# Altium PCB W5500-0603.PcbDoc
Units mm, origin at the board's own origin, x right, y up, seen from the top; angles counter-clockwise.
Board outline 28 x 55 mm, 2 copper layers (Top Layer, Bottom Layer); 48 components, 41 nets, 160 pads, 41 vias.
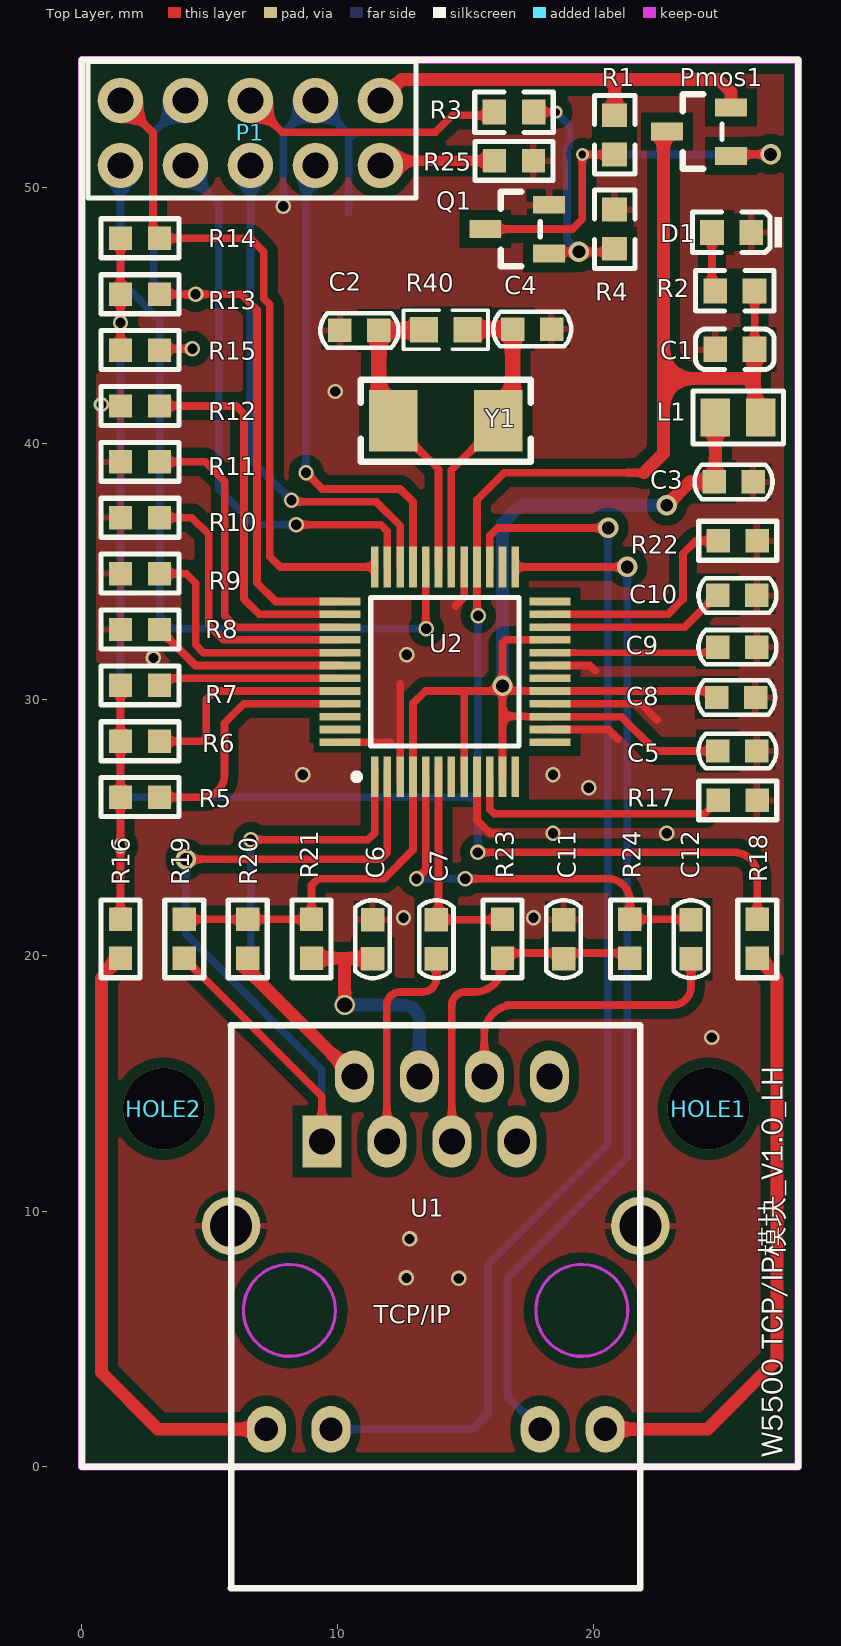
[diagram p0: Top Layer view]
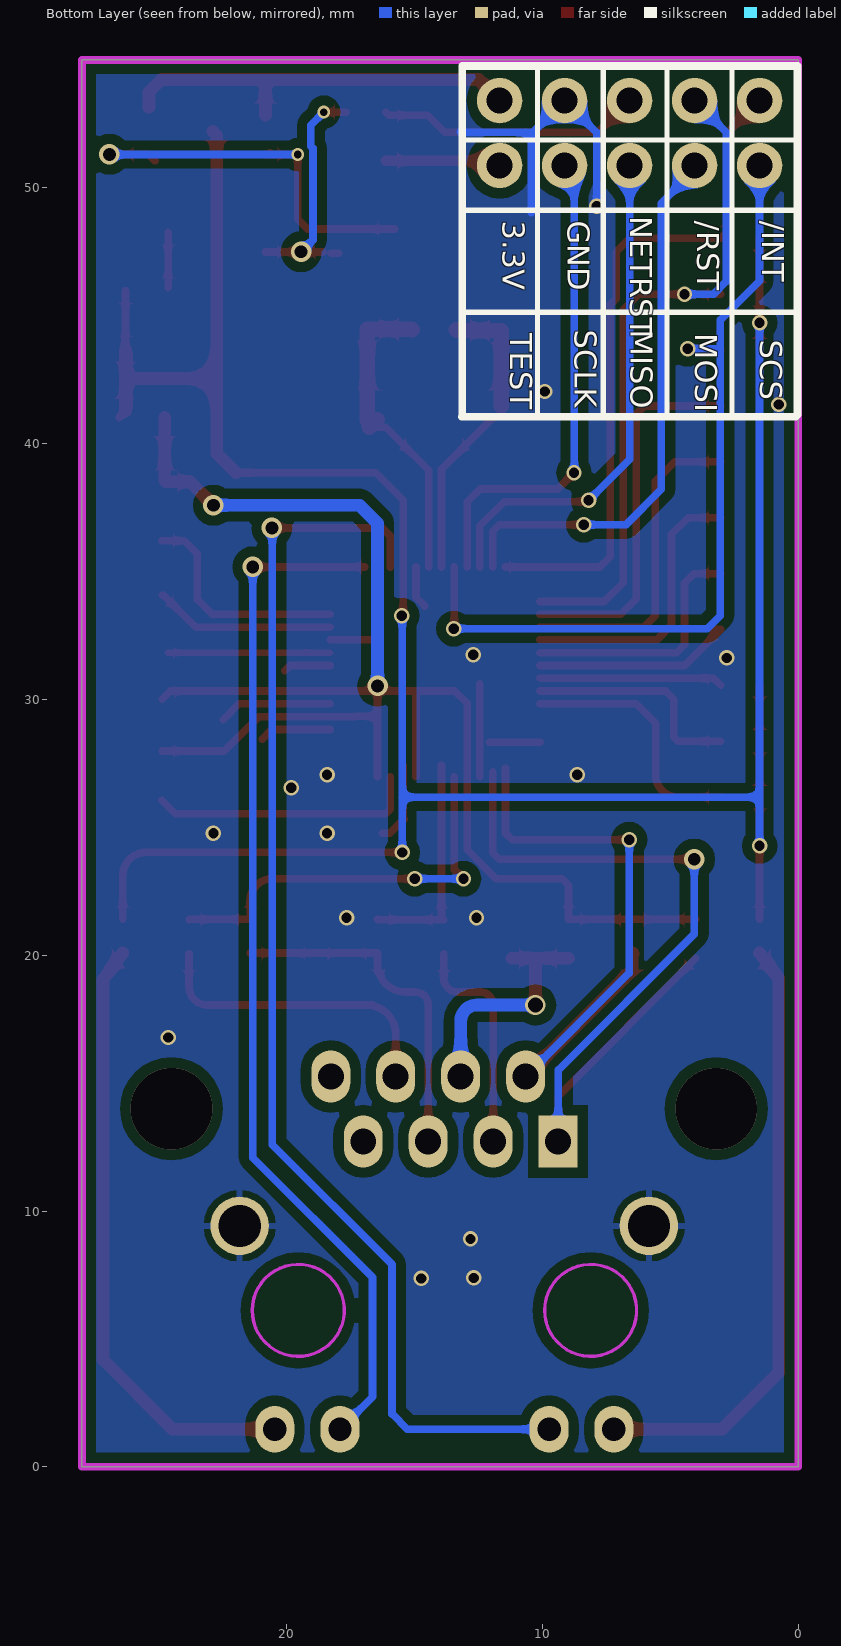
[diagram p1: Bottom Layer view, seen from below]

## Layer stack, top to bottom
Top Solder: solder mask 0.0102, Solder Resist, Dk 3.5
Top Layer: signal copper 0.0356
Dielectric1: dielectric 0.32, FR-4, Dk 4.8
Bottom Layer: signal copper 0.0356
Bottom Solder: solder mask 0.0102, Solder Resist, Dk 3.5

## Board outline
0,0 0,55 28,55 28,0

## Design rules (kind name [scope] priority, off if disabled: settings)
Clearance Clearance-poly [InPolygon] p1: gap=0.4
Clearance Clearance-track [All] p2: gap=0.2
PolygonConnect PolygonConnect_via [IsVia] p1: connectstyle=Direct reliefconductorwidth=0.254 reliefentries=4 polygonreliefangle="90 Angle" airgapwidth=0.254
PolygonConnect PolygonConnect_pad [All] p2: connectstyle=Relief reliefconductorwidth=0.254 reliefentries=4 polygonreliefangle="90 Angle" airgapwidth=0.254
RoutingVias [All] p1: holewidth=0.4 width=0.6 viastyle="Through Hole" minholewidth=0.3 minwidth=0.6 maxholewidth=1 maxwidth=2
SilkToSolderMaskClearance [IsPad] p1: minsilkscreentomaskgap=0 clearancetoexposedcopper=TRUE
SolderMaskExpansion [All] p1: expansion=0.102
Width [All] p1: maxlimit=2 minlimit=0.254 preferedwidth=0.4
29 further rules are at their usual default settings.

## Components (designator, comment, footprint, x,y, rotation, side; value= is the part's Value field where it differs from the comment)
C1 "104" LC-0603_C 25.527,43.688 r0 top
C2 "18pF" C0603 10.287,44.45 r0 top
C3 "104" C0603 26.035,38.481 r180 top
C4 "18pF" C0603 18.161,44.45 r180 top
C5 "104" C0603 26.184,27.957 r180 top
C6 "0.22uF" C0603 11.339,20.068 r90 top
C7 "6.8nF" C0603 13.878,21.186 r270 top
C8 "104" C0603 25.019,30.099 r0 top
C9 "4.7uF" C0603 25.066,32.066 r0 top
C10 "103" C0603 25.066,34.095 r0 top
C11 "103" C0603 18.856,21.186 r270 top
C12 "6.8nF" C0603 23.835,21.186 r270 top
D1 "白灯 0603" LC-0603_LED_S1 25.4,48.26 r180 top
HOLE1 "HOLE" H-3.2-3.2mm 24.5,14 r90 top
HOLE2 "HOLE" H-3.2-3.2mm 3.2,14 r90 top
L1 "1uH" LC-0805_L 25.654,41.021 r180 top
P1 "Header 5X2" F2.54-2*5 1.508,50.873 r0 top
Pmos1 "SI2301" LC-SOT-23(SOT-23-3) 24.13,52.197 r0 top
Q1 "S8050" LC-SOT-23(SOT-23-3) 17.018,48.387 r0 top
R1 "10K" LC-0603_R 20.828,52.07 r90 top
R2 "1K" LC-0603_R 25.527,45.974 r0 top
R3 "2K" LC-0603_R 16.891,52.959 r180 top
R4 "10K" LC-0603_R 20.828,48.387 r270 top
R5 "10K" R0603 1.508,26.181 r0 top
R6 "10K" R0603 1.508,28.365 r0 top
R7 "10K" R0603 1.508,30.55 r0 top
R8 "10K" R0603 1.508,32.734 r0 top
R9 "10K" R0603 1.508,34.919 r0 top
R10 "10K" R0603 1.508,37.103 r0 top
R11 "10K" R0603 1.508,39.287 r0 top
R12 "10K" R0603 1.508,41.472 r0 top
R13 "10K" R0603 1.508,45.841 r0 top
R14 "10K" R0603 1.508,48.025 r0 top
R15 "10K" R0603 1.508,43.656 r0 top
R16 "1K" R0603 1.508,19.877 r90 top
R17 "12.4K" R0603 24.876,26.054 r0 top
R18 "1K" R0603 26.4,19.877 r90 top
R19 "49R9" R0603 3.997,21.401 r270 top
R20 "49R9" R0603 6.486,21.401 r270 top
R21 "10R" R0603 8.975,21.401 r270 top
R22 "10K" R0603 24.876,36.2 r0 top
R23 "82R" R0603 16.443,21.401 r270 top
R24 "82R" R0603 21.421,21.401 r270 top
R25 "0R" R0603 17.653,51.054 r180 top
R40 "1M" 0603-1 14.224,44.45 r180 top
U1 "HR911105A" HR911105A 21.828,9.417 r270 top locked
U2 "W5500" LQFP48 14.192,31.077 r180 top locked
Y1 "25MHz" LC-SMD-5032_2P 14.224,40.894 r0 top

## Footprints (in the part's own frame and the unit in brackets; to place one, negate y for a bottom-side part, rotate by r counter-clockwise, add the part's x,y. Pads: shape width x height; smd on the part's side, far side on the other; paste and mask are expansions set on the pad)
0603-1 [mm] "0603带丝印"
  rect 1.1x1 smd: 1(-0.85,0) 2(0.85,0)
  silkscreen extent -1.65,-0.76 1.65,0.76, body extent -0.8,-0.4 0.8,0.4, height 0.3
C0603 [mil]
  rect 36x36 smd: 1(-8,-1) 2(52,-1)
  silkscreen extent -38,-28 82,26
F2.54-2*5 [mil]
  round 70 hole 40: 1(0,0) 2(0,100) 3(100,0) 4(100,100) 5(200,0) 6(200,100) 7(300,0) 8(300,100) 9(400,0) 10(400,100)
  silkscreen extent -50,-50 455,160
H-3.2-3.2mm [mm]
HR911105A [mil]
  rect 80x60 hole 40: 1(-130,-490)
  oval 80x60 hole 40: 2(-230,-440) 3(-130,-390) 4(-230,-340) 5(-130,-290) 6(-230,-240) 7(-130,-190) 8(-230,-140)
  oval 72x60 hole 36: 9(312.91,-575.63) 10(312.91,-476) 11(312.91,-154.13) 12(312.91,-54)
  round 90 hole 65: 13(-0.08,0.16) 14(-0.08,-629.76)
  Keep-Out Layer circle w5: c130,-540 r70.8
  Keep-Out Layer circle w5: c130,-90 r70.8
  silkscreen extent -309,-630 557,0
LC-0603_C [mm]
  rect 0.93x0.98 smd: 1(-0.77,0) 2(0.77,0)
  silkscreen extent -1.53,-0.79 1.54,0.79, body extent -0.8,-0.4 0.8,0.4, height 0.3
LC-0603_LED_S1 [mm]
  rect 0.93x0.98 smd: A(0.77,0) K(-0.77,0)
  silkscreen extent -1.98,-0.79 1.54,0.79, body extent -0.8,-0.4 0.8,0.4, height 0.6
LC-0603_R [mm]
  rect 0.93x0.98 smd: 1(-0.77,0) 2(0.77,0)
  silkscreen extent -1.53,-0.79 1.54,0.79, body extent -0.85,-0.4 0.85,0.4, height 0.56
LC-0805_L [mm]
  rect 1.16x1.47 smd: 1(-0.89,0) 2(0.89,0)
  silkscreen extent -1.77,-1.04 1.77,1.03, body extent -1.02,-0.64 1.03,0.64, height 0.6
LC-SMD-5032_2P [mm]
  rect 1.9x2.4 smd: 1(-2.05,0) 2(2.05,0)
  silkscreen extent -3.32,-1.6 3.32,1.6
LC-SOT-23(SOT-23-3) [mm]
  rect 1.25x0.7 smd: 1(1.25,-0.95) 2(1.25,0.95) 3(-1.25,0)
  silkscreen extent -0.65,-1.46 0.9,1.46, body extent -1.5,-1.5 1.5,1.5, height 1.3
LQFP48 [mm]
  rect 0.3x1.6 smd: 1(2.75,4.1) 2(2.25,4.1) 3(1.75,4.1) 4(1.25,4.1) 5(0.75,4.1) 6(0.25,4.1) 7(-0.25,4.1) 8(-0.75,4.1) 9(-1.25,4.1) 10(-1.75,4.1) 11(-2.25,4.1) 12(-2.75,4.1) 25(-2.75,-4.1) 26(-2.25,-4.1) 27(-1.75,-4.1) 28(-1.25,-4.1) 29(-0.75,-4.1) 30(-0.25,-4.1) 31(0.25,-4.1) 32(0.75,-4.1) 33(1.25,-4.1) 34(1.75,-4.1) 35(2.25,-4.1) 36(2.75,-4.1)
  rect 1.6x0.3 smd: 13(-4.1,2.75) 14(-4.1,2.25) 15(-4.1,1.75) 16(-4.1,1.25) 17(-4.1,0.75) 18(-4.1,0.25) 19(-4.1,-0.25) 20(-4.1,-0.75) 21(-4.1,-1.25) 22(-4.1,-1.75) 23(-4.1,-2.25) 24(-4.1,-2.75) 37(4.1,-2.75) 38(4.1,-2.25) 39(4.1,-1.75) 40(4.1,-1.25) 41(4.1,-0.75) 42(4.1,-0.25) 43(4.1,0.25) 44(4.1,0.75) 45(4.1,1.25) 46(4.1,1.75) 47(4.1,2.25) 48(4.1,2.75)
  silkscreen extent -2.9,-2.9 3.57,4.22
R0603 [mil]
  rect 36x36 smd: 1(0,0) 2(60,0)
  silkscreen extent -30,-30 90,30

## Part data
C1 C2 C4: library part Cap, "Capacitor"
C3 C5 C6 C7 C8 C10 C11 C12: library part CAP, "Capacitor"
C9: library part "Cap Pol3", "Polarized Capacitor (Surface Mount)"
D1: library part "0603 白灯", "发光二极管"
L1: library part Inductor, "Inductor"
P1: "Header, 5-Pin, Dual row"
Pmos1: library part N-MO
Q1: library part NPN
R1 R2 R5 R6 R7 R8 R9 R10 R11 R12 R13 R14 R15 R16 R17 R18 R19 R20 R21 R22 R23 R24 R25 R40: library part Res2, "Resistor"
R3 R4: library part RES
U2: "W5500以太网芯片"
Y1: library part XTAL, "Crystal Oscillator"

## Via types
v1: diameter 0.6, hole 0.4, Top Layer to Bottom Layer, 29 vias
v2: diameter 0.8, hole 0.5, Top Layer to Bottom Layer, 7 vias
v3: diameter 0.5, hole 0.3, Top Layer to Bottom Layer, 2 vias
v4: diameter 3.2, hole 3.2, Top Layer to Bottom Layer, 2 vias
v5: diameter 0.8, hole 0.6, Top Layer to Bottom Layer, 1 vias

## Nets (pads, with @x,y where several pads share a name; then routed paths per layer and width w, separated by ;. In a path a pad name is that pad's centre, name@x,y a point inside that pad or via, vN(x,y) a via of type N, cw(c..) or ccw(c..) an arc to the next point about the centre after c; other vN are vias at no path point)
3V3: C1.2 L1.1 Pmos1.3 R2.2 R5.1 R6.1 R7.1 R13.1 R14.1 R15.1 R16.2 R18.2 U2.28 | length 110.2
  Top Layer w0.3: R16.2 v1(1.508,24.276) R5.1 R6.1 R7.1 ; R15.1 v1(1.508,44.723) R13.1 R14.1 ; 15.442,33.964 U2.28 ; v1(15.478,24.019) 25.495,24.019 cw(c25.495,23.114) 25.829,23.955 cw(c25.495,23.114) 26.336,23.448 cw(c25.495,23.114) 26.4,23.114 R18.2 ; v1(15.494,33.274) 15.442,33.326 U2.28 ; 21.971,38.862 16.51,38.862 15.442,37.794 15.442,36.377 U2.28 ; 26.297,42.291 26.162,42.291 ; R2.2 C1.2 26.162,43.553 26.162,42.799 ; L1.1 26.297,41.268 26.162,41.403 26.162,42.291 ; 25.908,42.545 26.162,42.291 ; 25.908,42.545 26.162,42.545 ; 25.908,42.545 26.162,42.799 ; 26.162,42.291 26.162,42.545 ; 26.162,42.545 26.162,42.799
  Top Layer w0.5: 21.971,38.862 22.733,39.624 22.733,41.91 ; Pmos1.3 22.733,52.05 22.733,43.18 ; 23.114,42.545 22.733,42.545 ; 25.908,42.545 23.368,42.545 ; L1.1@26.297,41.268 26.297,42.291 C1.2 ; 22.733,41.91 22.733,42.545 ; 22.733,41.91 23.368,42.545 ; 22.733,42.545 22.733,43.18 ; 22.733,43.18 23.368,42.545
  Bottom Layer w0.3: v1(1.508,24.276) 1.508,26.181 ; v1(1.508,44.723) 1.508,26.181 ; v1(15.478,24.019) 15.478,26.181 ; v1@15.478,33.264 15.478,26.181 ; 1.508,26.181 15.478,26.181
/INT: P1.2 R14.2 U2.36 | length 26.6
  Top Layer w0.3: P1.2 2.778,52.143 2.778,48.279 R14.2 6.588,48.025 7.112,47.501 7.112,45.668 7.342,45.438 7.342,35.584 7.749,35.177 U2.36
/RESET: P1.4 R13.2 U2.37 | length 29.4
  Top Layer w0.3: R13.2 v1@4.572,45.841 ; 3.794,45.841 v1@4.572,45.841 ; U2.37 7.575,33.827 6.842,34.56 6.842,45.231 6.232,45.841 5.064,45.841 v1@4.572,45.841
  Bottom Layer w0.3: 2.809,51.94 2.809,51.073 ; P1.4 2.809,52.174 2.809,51.073 ; v1(4.445,45.841) 3.308,45.841 2.809,46.34 2.809,51.073
/SPI_SCS: P1.1 R15.2 U2.32 | length 35.4
  Top Layer w0.3: P1.1 P1.1@2.216,50.873 ; R15.2 3.083,43.707 v1(4.318,43.707) ; v1@13.442,32.786 U2.32 13.442,34.313
  Bottom Layer w0.3: P1.1 1.508,46.371 3.048,44.831 3.048,43.688 ; v1(4.318,43.707) 3.067,43.707 3.048,43.688 ; v1(13.462,32.766) 3.556,32.766 3.048,33.274 3.048,43.688
A3.3V: C3.2 C5.2 C8.1 L1.2 R19.1 R20.1 R21.1 U2.4 U2.8 U2.11 U2.15 U2.17 U2.21 | length 66.1
  Top Layer w0.3: R19.1 R20.1 R21.1 8.975,22.733 9.229,22.987 11.811,22.987 12.942,24.118 U2.4 12.942,29.845 13.424,30.327 15.025,30.327 ; U2.8 14.942,30.244 15.025,30.327 ; U2.11 16.442,29.337 ; U2.21 16.579,32.327 16.442,32.19 v2(16.442,30.527) v2@16.442,30.327 ; C5.2 22.436,27.983 21.092,29.327 U2.15 17.347,29.327 17.337,29.337 16.442,29.337 ; C8.1@24.863,30.011 24.547,30.327 U2.17 v2@16.442,30.327 ; 15.025,30.327 v2@16.442,30.327 ; 16.442,29.337 v2@16.442,30.327
  Top Layer w0.5: v2(22.86,37.592) 23.774,38.506 C3.2 ; C3.2@24.764,38.556 L1.2
  Bottom Layer w0.5: v2(16.442,30.527) 16.442,36.889 17.145,37.592 v2(22.86,37.592)
ACTLED: U1.10 U2.27 | length 49
  Top Layer w0.3: U2.27 15.942,36.389 16.256,36.703 v2(20.574,36.703)
  Bottom Layer w0.3: U1.10 15.277,1.469 15.875,2.067 15.875,7.909 20.558,12.592 20.558,36.703 v2(20.574,36.703)
GND: C1.1 C2.1 C3.1 C4.1 C5.1 C6.2 C8.2 C9.2 C10.2 C11.1 D1.K P1.8 Q1.2 R4.1 R8.1 R9.1 R10.1 R11.1 R12.1 R17.2 R22.2 R25.1 U1.13 U1.14 U2.3 U2.9 U2.14 U2.16 U2.19 U2.29 U2.48 | length 32.4
  Top Layer w0.3: U2.48 12.059,28.327 12.065,28.321 ; U2.3 12.442,30.607 ; 14.605,33.655 14.942,33.992 U2.29 ; U2.9@15.442,27.432 U2.9 15.442,25.348 15.412,25.318 15.964,24.765 16.256,24.765 ; U2.14 20.576,28.827 20.955,28.448 ; U2.16 21.862,29.827 22.479,29.21 ; U2.19 19.854,31.327 20.066,31.115
  Bottom Layer w0.3: v1(7.874,49.276) 7.874,52.159 P1.8 10.367,52.174 ; 10.429,49.022 10.429,51.935 ; 13.208,52.197 13.185,52.174 10.668,52.174 ; 10.367,52.174 10.668,52.174 ; 10.367,52.174 10.429,52.112 10.429,51.935 ; 10.429,51.935 10.668,52.174
  other v1: 14.732,7.366 12.684,7.385 12.811,8.909 24.622,16.783 12.573,21.463 17.653,21.463 18.415,24.765 22.86,24.765 19.812,26.543 8.636,27.051 18.415,27.051 2.794,31.623 12.7,31.75 0.762,41.529 9.906,42.037
INTERNETRST: P1.6 R3.2 | length 10.4
  Top Layer w0.3: P1.6 7.827,52.174 13.82,52.174 14.478,52.832 15.994,52.832 R3.2
LINKLED: U1.11 U2.25 | length 40.6
  Top Layer w0.3: U2.25 21.334,35.177 21.336,35.179 v2(21.32,35.179)
  Bottom Layer w0.3: U1.11 16.637,2.745 16.637,7.401 21.32,12.084 v2(21.32,35.179)
NetC2_2: C2.2 R40.2 U2.31 Y1.1 | length 12
  Top Layer w0.3: Y1.1@11.989,40.945 13.942,38.992 13.942,37.084 ; U2.31 13.942,37.084 ; 13.942,36.377 13.942,37.084
  Top Layer w0.6: Y1.1@11.608,41.46 C2.2 13.349,44.425 R40.2
NetC4_2: C4.2 R40.1 U2.30 Y1.2 | length 12.4
  Top Layer w0.3: U2.30 14.442,36.866 14.442,38.953 16.129,40.64 Y1.2@16.561,40.64
  Top Layer w0.6: R40.1 15.099,44.475 C4.2 Y1.2@16.84,40.919 ; Y1.2@16.459,40.945 Y1.2@16.764,40.64
NetC9_1: C9.1 U2.20 | length 6.4
  Top Layer w0.254: U2.20 C9.1@24.65,31.827
NetD1_A: D1.A R2.1 | length 2.2
  Top Layer w0.3: R2.1@24.63,46.101 D1.A
NetPmos1_1: Pmos1.1 Q1.3 R1.1 | length 17.2
  Top Layer w0.3: Q1.3 19.177,48.387 19.558,48.768 19.558,51.292 v3(19.566,51.3) R1.1 ; R1.1@20.648,51.374 R1.1@20.714,51.308 ; Pmos1.1@25.146,51.054 25.4,51.308 v2(26.924,51.308)
  Bottom Layer w0.3: v3(19.566,51.3) 26.662,51.3 26.67,51.308 26.797,51.181 v2(26.924,51.308)
NetQ1_1: Q1.1 R3.1 R4.2 | length 9.3
  Top Layer w0.3: R3.1 v3(18.542,52.959) ; Q1.1@17.968,47.437 Q1.1 ; Q1.1@18.575,47.49 v2@19.431,47.49 ; v2(19.431,47.498) v2@19.431,47.49 ; R4.2@20.828,47.49 v2@19.431,47.49
  Bottom Layer w0.3: v3(18.542,52.959) 19.05,52.451 19.05,51.633 18.966,51.549 18.966,47.963 v2(19.431,47.498)
NetR5_2: R5.2 U2.45 | length 9.9
  Top Layer w0.3: R5.2 4.702,26.181 ccw(c4.702,27.051) 5.041,26.25 ccw(c4.702,27.051) 5.503,26.712 ccw(c4.702,27.051) 5.572,27.051 5.572,27.686 5.572,29.067 6.332,29.827 U2.45
NetR6_2: R6.2 U2.44 | length 9.3
  Top Layer w0.3: R6.2 4.318,28.365 ; 3.794,28.365 4.318,28.365 ; U2.44 5.842,30.327 5.181,30.327 4.866,30.012 4.866,29.631 4.866,28.523 4.708,28.365 4.318,28.365
NetR7_2: R7.2 U2.43 | length 7.2
  Top Layer w0.3: R7.2 3.309,30.827 U2.43
NetR8_2: R8.2 U2.42 | length 7.9
  Top Layer w0.3: R8.2@3.302,32.734 R8.2 4.439,31.327 U2.42
NetR9_2: R9.2 U2.41 | length 9.8
  Top Layer w0.3: R9.2 4.07,34.919 4.445,34.544 4.445,32.131 4.749,31.827 U2.41
NetR10_2: R10.2 U2.40 | length 11.1
  Top Layer w0.3: R10.2 4.299,37.103 4.953,36.449 4.953,32.893 5.519,32.327 U2.40
NetR11_2: R11.2 U2.39 | length 13.3
  Top Layer w0.3: R11.2 4.318,39.287 ; 3.794,39.287 4.318,39.287 ; U2.39 6.035,32.827 5.588,33.274 5.588,38.525 4.826,39.287 4.318,39.287
NetR12_2: R12.2 U2.38 | length 15.1
  Top Layer w0.3: R12.2 4.191,41.472 ; 3.794,41.472 4.191,41.472 ; U2.38 6.932,33.327 6.334,33.925 6.334,41.164 6.026,41.472 4.191,41.472
NetR16_1: R16.1 U1.9 | length 24
  Top Layer w0.5: R16.1@1.508,20.085 0.762,19.103 0.762,3.683 2.976,1.469 U1.9
NetR17_1: R17.1 U2.10 | length 10.7
  Top Layer w0.3: U2.10@15.942,26.816 U2.10 15.942,25.714 16.129,25.527 24.349,25.527 R17.1
NetR18_1: R18.1 U1.12 | length 24.2
  Top Layer w0.5: U1.12@20.456,1.698 U1.12 24.456,1.469 27.178,4.191 27.178,19.06 R18.1@26.4,20.085
NetR22_1: R22.1 U2.23 | length 8.8
  Top Layer w0.3: U2.23 22.913,33.327 23.495,33.909 23.495,35.687 24.008,36.2 R22.1
RCT: C11.2 R23.2 R24.2 U1.5 | length 13.6
  Top Layer w0.3: U1.5 14.462,16.275 14.462,16.91 14.462,18.053 cw(c14.97,18.053) 14.97,18.561 15.351,18.561 ccw(c15.351,19.653) 16.443,19.653 16.443,20.085 R24.2@21.421,20.085
RXN: C12.1 R24.1 U2.5 | length 16.1
  Top Layer w0.3: v1(13.081,22.987) 13.442,23.348 U2.5 ; v1(14.986,22.987) 19.685,22.987 20.574,22.987 cw(c20.574,22.14) 21.421,22.14 R24.1 23.797,21.401 C12.1
  Bottom Layer w0.3: v1(13.081,22.987) v1(14.986,22.987)
RXNNET: C12.2 U1.6 | length 12.3
  Top Layer w0.3: U1.6 15.732,16.91 cw(c16.875,16.91) 15.77,17.202 cw(c16.875,16.91) 16.583,18.015 cw(c16.875,16.91) 16.875,18.053 ; 16.621,18.053 16.875,18.053 ; C12.2@23.812,20.06 23.812,18.767 cw(c23.098,18.767) 23.098,18.053 16.875,18.053
RXP: C7.1 R23.1 U2.6 | length 8.7
  Top Layer w0.3: U2.6@13.942,27.432 13.942,23.495 13.942,21.478 C7.1 16.43,21.389 R23.1
RXPNET: C7.2 U1.3 | length 8.8
  Top Layer w0.3: U1.3 11.922,18.053 cw(c12.43,18.053) 12.43,18.561 13.319,18.561 ccw(c13.319,19.098) 13.855,19.098 C7.2@13.855,20.06
SPI_MISO: P1.5 U2.34 | length 20
  Top Layer w0.3: v1(8.191,37.783) 8.247,37.727 11.498,37.727 12.442,36.783 U2.34
  Bottom Layer w0.3: P1.5 6.588,39.386 v1(8.191,37.783)
SPI_MOSI: P1.3 U2.35 | length 22.3
  Top Layer w0.3: P1.3 P1.3@4.483,50.873 ; v1(8.382,36.83) 11.688,36.83 11.942,36.576 U2.35
  Bottom Layer w0.3: P1.3 4.048,50.692 5.349,49.391 5.349,38.212 6.731,36.83 v1(8.382,36.83)
SPI_SCLK: P1.7 U2.33 | length 19.4
  Top Layer w0.3: v1(8.763,38.862) 9.398,38.227 12.434,38.227 12.942,37.719 U2.33
  Bottom Layer w0.3: v1(8.763,38.862) 8.747,38.878 8.747,50.311 9.128,50.692 P1.7
TCT: C6.1 R21.2 U1.4 | length 9.5
  Top Layer w0.5: R21.2 C6.1@11.183,19.877 ; v5(10.271,18.053) 10.271,19.861
  Bottom Layer w0.5: v5(10.271,18.053) 12.557,18.053 cw(c12.557,17.418) 13.192,17.418 U1.4
TXN: R20.2 U1.2 U2.1 | length 24.8
  Top Layer w0.3: v1(6.604,24.511) 11.176,24.511 11.442,24.777 U2.1@11.442,27.305
  Top Layer w0.5: R20.2@6.461,20.06 cw(c6.486,20.06) R20.2@6.486,20.085 ; R20.2 6.486,19.425 U1.2
  Bottom Layer w0.3: v1@6.588,24.495 v1(6.604,24.511) 6.604,19.307 U1.2
TXP: R19.2 U1.1 U2.2 | length 33.8
  Top Layer w0.3: R19.2 9.382,14.493 U1.1 ; v2(4.064,23.749) 11.684,23.749 11.942,24.007 U2.2@11.942,27.178
  Bottom Layer w0.3: v2@4.048,23.733 v2(4.064,23.749) 4.064,20.828 9.382,15.51 U1.1
VCC_1.2V: C10.1 U2.22 | length 7.1
  Top Layer w0.3: U2.22 23.556,32.827 24.798,34.069 C10.1
W5500_TEST: P1.9 R25.2 | length 4.5
  Top Layer w0.4: P1.9 11.849,51.054 R25.2
W5500VCC: P1.10 Pmos1.2 R1.2 | length 16.9
  Top Layer w0.5: P1.10 12.484,54.229 21.082,54.229 ; 20.637,54.166 20.828,53.975 ; R1.2 20.828,53.975 ; 21.336,54.229 21.082,54.229 ; Pmos1.2 25.38,53.741 24.892,54.229 21.082,54.229 ; 20.828,53.975 21.082,54.229
pads on no net: U1.7 U1.8 U2.7 U2.12 U2.13 U2.18 U2.24 U2.26 U2.46 U2.47
copper on no net:
  other v4: 3.2,14 24.5,14

## Polygon pours and split planes (outlines as drawn)
GND on Bottom Layer "Top Layer-No Net 1" (solid, remove dead copper, pour order 2): 0,55 28,55 28,0 0,0 0,54.61 0.254,54.864
GND on Top Layer "Top Layer-No Net 1" (solid, remove dead copper, pour order 0): 0,55 28,55 28,0.127 27.873,0 0,0 0,55

## Keep-outs
Keep-Out Layer:
  the board outline again, w0.3

## Silkscreen, mask and mechanical layers (free items; w line width, h text height)
Top Overlay:
  the board outline again, w0.254
  text "TCP/IP" at 11.414,5.607 h0.7
  text "W5500 TCP/IP模块_V1.0_LH" at 27.686,0.381 h1.5 r90
Bottom Overlay:
  lines w0.2: 0.025,45.136 13.056,45.136 ; 0.025,49.124 13.03,49.124 ; 0.025,51.867 13.132,51.867 ; 2.591,41.072 2.591,54.762 ; 2.642,41.046 2.667,41.072 ; 5.131,41.072 5.131,54.762 ; 7.62,54.762 7.62,41.097 7.671,41.046 ; 10.185,41.123 10.185,54.762
  lines w0.3: 13.081,54.762 0.025,54.762 0.025,41.123 0.102,41.046 13.157,41.046 13.132,41.072 13.132,54.762
  text "NETRST" at 6.858,48.895 h1.5 r90
  text "/INT" at 1.707,48.713 h1.5 r90
  text "/RST" at 4.23,48.713 h1.5 r90
  text "GND" at 9.301,48.711 h1.5 r90
  text "3.3V" at 11.836,48.711 h1.5 r90
  text "MISO" at 6.842,44.45 h1.5 r90
  text "SCLK" at 9.017,44.45 h1.5 r90
  text "MOSI" at 4.318,44.323 h1.5 r90
  text "TEST" at 11.557,44.323 h1.5 r90
  text "SCS" at 1.778,44.069 h1.5 r90